# Altium PCB kunkun.PcbDoc (part 8 of 8)
Units mil, origin at the board's own origin, x right, y up, seen from the top; angles counter-clockwise.
Board outline 11417.32 x 6911.54 mil, 2 copper layers (Top Layer, Bottom Layer), stack 28 mil thick; 1172 components, 690 nets, 3402 pads, 1297 vias.
Unrouted connection lines stored in the file: 210.
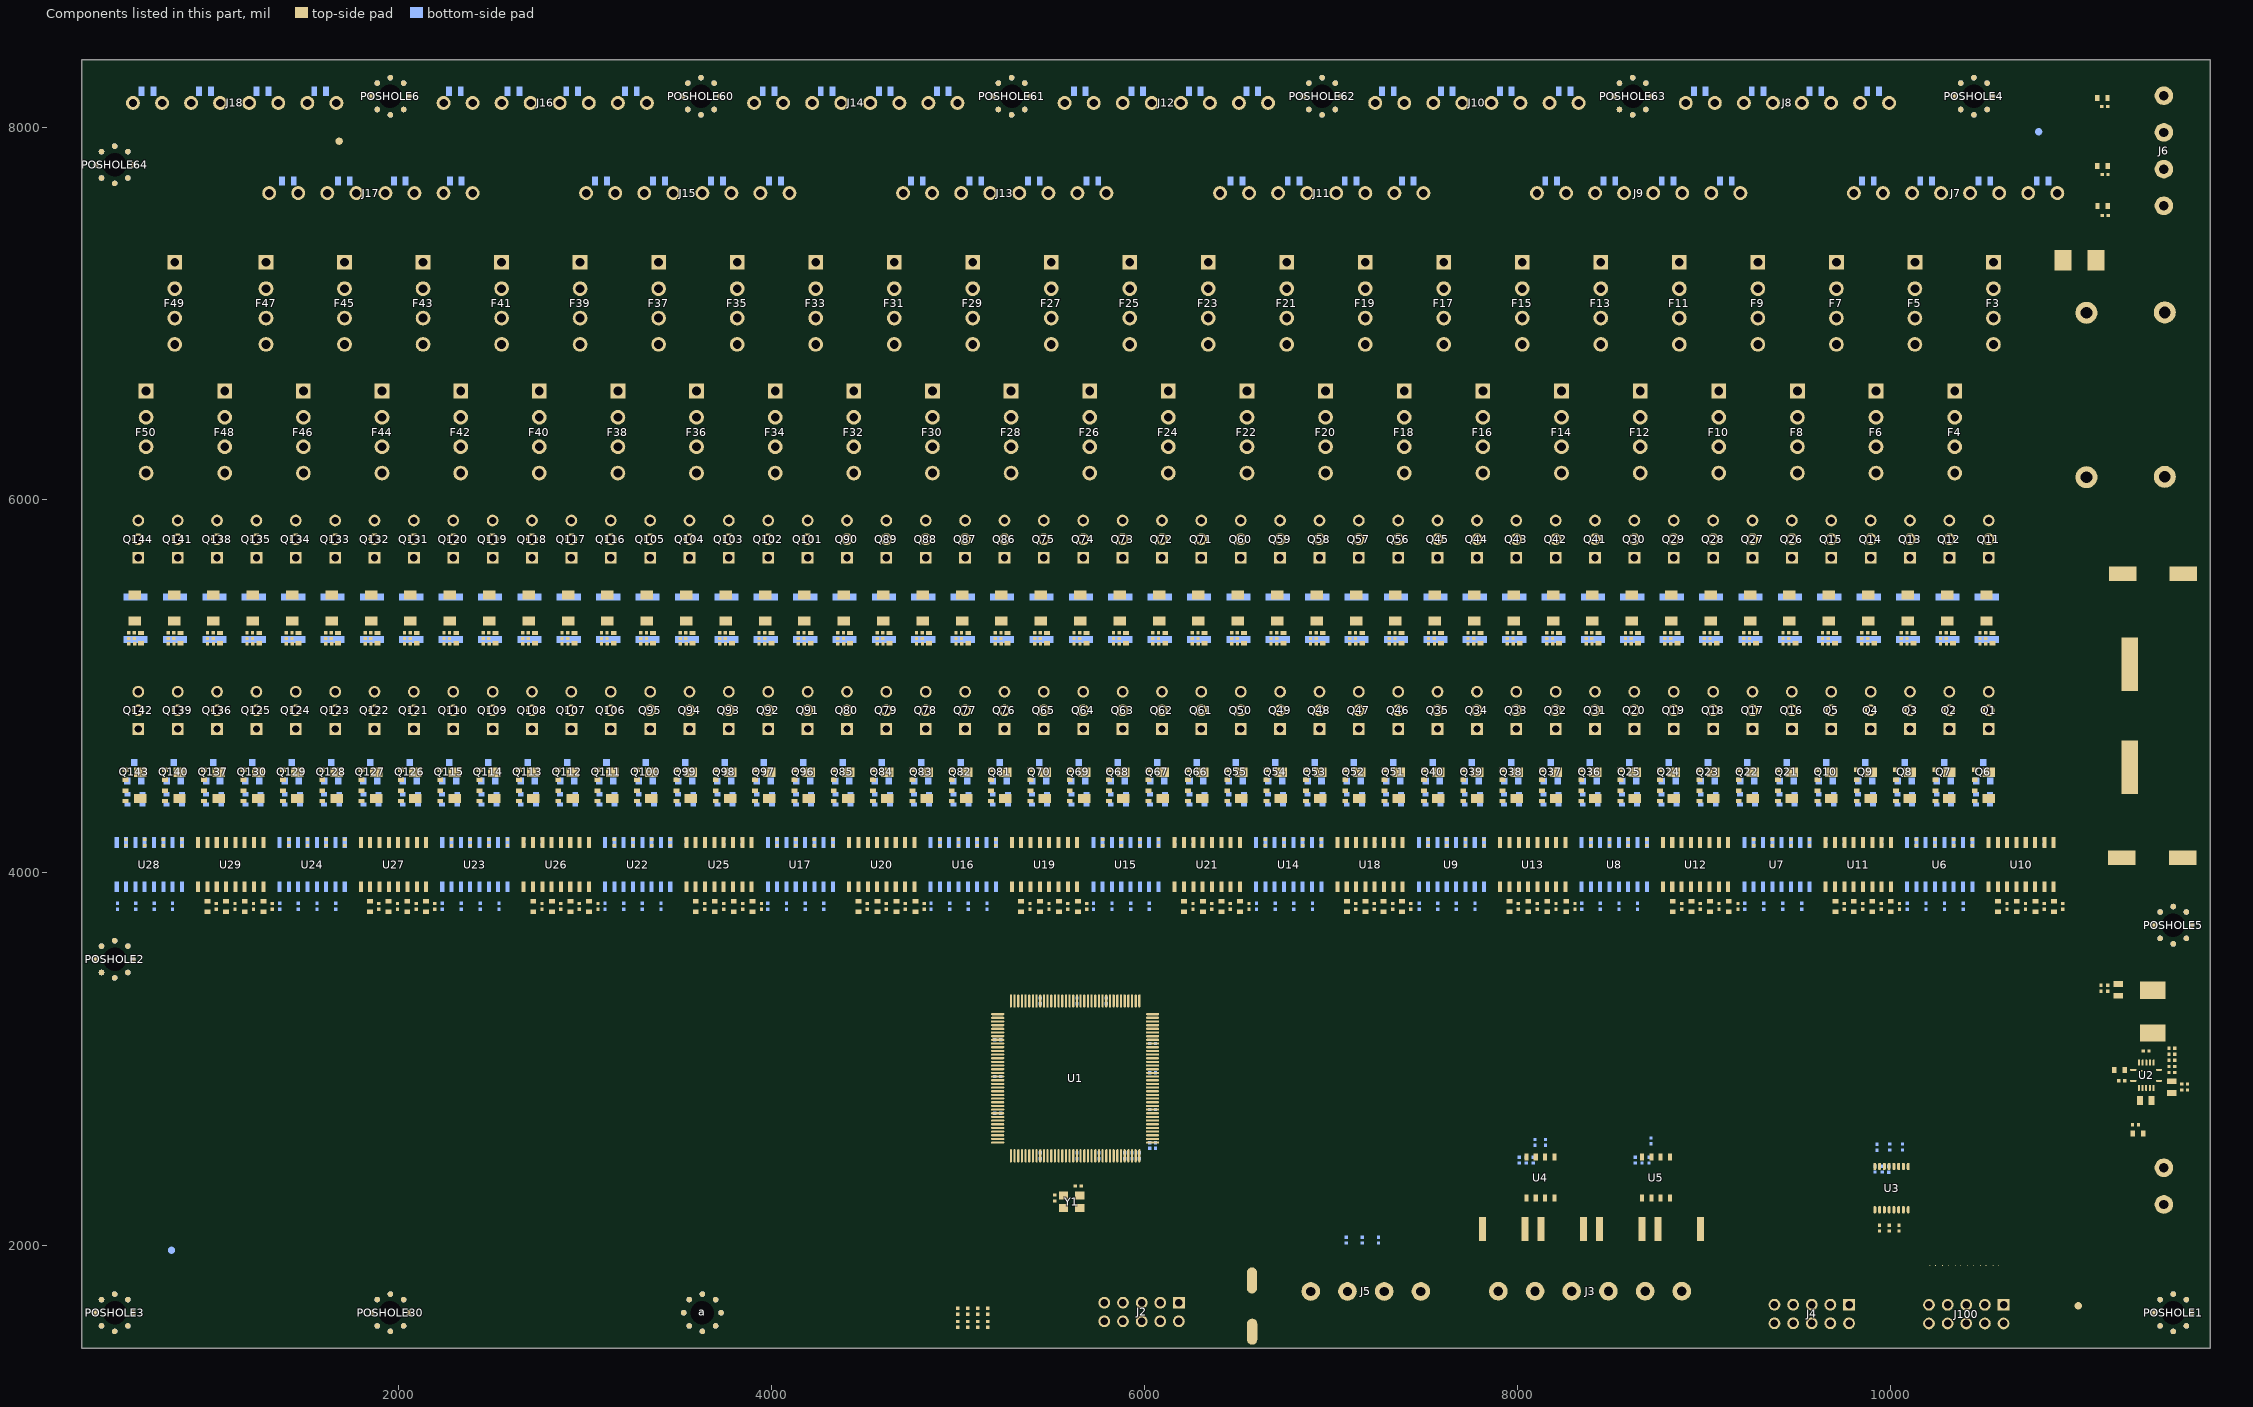
[diagram p8: the components of this part, seen from the top]

## Other copper
Top Layer:
  rectangle net PLOW: 9216.98,5464.84 9284.76,5591.25
  rectangle net PLOW: 1184.67,5466.57 1252.45,5592.99
  rectangle net PLOW: 975.07,5464.84 1042.85,5591.25
  rectangle net PLOW: 763.74,5464.84 831.52,5591.25
  rectangle net PLOW: 552.41,5464.84 620.19,5591.25
  rectangle net PLOW: 2029.99,5466.57 2097.78,5592.99
  rectangle net PLOW: 1820.39,5464.84 1888.18,5591.25
  rectangle net PLOW: 1609.06,5464.84 1676.85,5591.25
  rectangle net PLOW: 1397.73,5464.84 1465.52,5591.25
  rectangle net PLOW: 2875.32,5466.57 2943.1,5592.99
  rectangle net PLOW: 2665.72,5464.84 2733.5,5591.25
  rectangle net PLOW: 2454.39,5464.84 2522.17,5591.25
  rectangle net PLOW: 2243.05,5464.84 2310.84,5591.25
  rectangle net PLOW: 3724.67,5473.19 3792.46,5599.6
  rectangle net PLOW: 3515.07,5471.45 3582.86,5597.87
  rectangle net PLOW: 3303.74,5471.45 3371.53,5597.87
  rectangle net PLOW: 3092.41,5471.45 3160.2,5597.87
  rectangle net PLOW: 4565.96,5466.57 4633.75,5592.99
  rectangle net PLOW: 4356.36,5464.84 4424.15,5591.25
  rectangle net PLOW: 4145.03,5464.84 4212.82,5591.25
  rectangle net PLOW: 3933.7,5464.84 4001.49,5591.25
  rectangle net PLOW: 5411.29,5466.57 5479.07,5592.99
  rectangle net PLOW: 5201.69,5464.84 5269.47,5591.25
  rectangle net PLOW: 4990.36,5464.84 5058.14,5591.25
  rectangle net PLOW: 4779.03,5464.84 4846.81,5591.25
  rectangle net PLOW: 6256.61,5466.57 6324.4,5592.99
  rectangle net PLOW: 6047.01,5464.84 6114.8,5591.25
  rectangle net PLOW: 5835.68,5464.84 5903.47,5591.25
  rectangle net PLOW: 5624.35,5464.84 5692.14,5591.25
  rectangle net PLOW: 7101.94,5466.57 7169.72,5592.99
  rectangle net PLOW: 6892.34,5464.84 6960.12,5591.25
  rectangle net PLOW: 6681.01,5464.84 6748.79,5591.25
  rectangle net PLOW: 6469.68,5464.84 6537.46,5591.25
  rectangle net PLOW: 7947.26,5466.57 8015.05,5592.99
  rectangle net PLOW: 7737.66,5464.84 7805.45,5591.25
  rectangle net PLOW: 7526.33,5464.84 7594.12,5591.25
  rectangle net PLOW: 7315,5464.84 7382.78,5591.25
  rectangle net PLOW: 8792.58,5466.57 8860.37,5592.99
  rectangle net PLOW: 8582.99,5464.84 8650.77,5591.25
  rectangle net PLOW: 8371.65,5464.84 8439.44,5591.25
  rectangle net PLOW: 8160.32,5464.84 8228.11,5591.25
  rectangle net PLOW: 9637.91,5466.57 9705.69,5592.99
  rectangle net PLOW: 9428.31,5464.84 9496.09,5591.25
  rectangle net PLOW: 9005.65,5464.84 9073.43,5591.25
  rectangle net PLOW: 9850.97,5464.84 9918.76,5591.25
  rectangle net PLOW: 10062.3,5464.84 10130.09,5591.25
  rectangle net PLOW: 10273.63,5464.84 10341.42,5591.25
  rectangle net PLOW: 10483.23,5466.57 10551.02,5592.99
  pour cut-out: 11145.25,3533.46 11529.36,3533.46 11625.5,3437.32 11625.5,2952.63 11057.15,2952.63 11057.15,3445.35
  pour cut-out: 5523.34,2318.21 5690.12,2318.21 5691.62,2319.7 5695.61,2315.7 5695.61,2156.6 5523.34,2156.6
  pour cut-out: 10034.54,2770.05 10020.18,2755.7 10020.18,2731.77 10005.26,2746.69 9997.1,2746.69 9997.1,2754.85 10015.96,2773.71
  pour cut-out: 9712.98,2222.48 9379.47,1888.97 9379.47,1522.92 9444.7,1457.7 10581.55,1457.7 10608.26,1484.4 10608.26,1925.54 10311.32,2222.48
  region net PHIGH: 11329.81,4974.36 11401.64,5127.71 11461.43,5766.68 11385.73,5921.71 11385.73,5974.45 11507.49,6076.22 11437.44,6171.31 11276.02,6041.01 11276.02,5921.57 11371.38,5743.96 11320.65,5415.74 11163.09,5258.18 11163.09,4974.36
  region net PGND: 11503.63,8006.67 11370.46,8119.14 11158.1,8119.14 11158.1,7867.86 11214.78,7811.18 11214.78,7776.11 11195.35,7756.68 11159.45,7756.68 11159.45,7737.04 11159.55,7730.77 11146.28,7717.51 11078.62,7717.51 10983.52,7622.41 10983.52,7211.43 10819.86,7047.77 10820.53,6819.96 11114.31,6823.34 10971.29,6966.36 10971.29,7032.59 11046.21,7107.5 11046.21,7411.64 11088.18,7453.61 11088.18,7598.58 11095.53,7605.93 11207.64,7605.93 11223.32,7586.68 11223.32,7568.86 11189.08,7534.62 11169.2,7534.62 11169.2,7525.77 11160.34,7516.91 11188.58,7488.66 11189.08,7488.66 11188.62,7040.95 11083.3,6923.65 10819.86,6923.65 10820.38,6713.69 10707.5,6516.84 10707.5,6014.21 10792.72,5871.08 10792.72,4655.93 11286.65,4162 11365.05,4899.45 11114.31,4899.45 11114.31,5518.21 10927.77,6169.46 10983.52,6225.21 11628.58,6225.21 11642.04,6238.67 11642.04,6779.78 11554.82,6867 11441.76,6867 11363.62,6945.15 11363.62,7066.36 11518.15,7220.9 11518.15,7407.96 11394.46,7531.65 11394.46,7809.44 11512.05,7947.16
  region net NetD49_2: 11174.1,7121.23 11174.1,7451.01 11097.82,7451.01 11058.05,7411.25 11058.05,7121.23
  region net NetD51_2: 11468.28,7724.46 11577.97,7614.77 11577.97,7171.97 11455.89,7049.9 11503.63,6956.26 11679.68,7049.9 11679.68,7633.77 11503.63,7809.82
  region net PLOW: 11300.76,5450.85 11337.57,5744.73 11095.71,6161.32 10996.07,6104.95 11161.81,5554.35 11161.81,5356.1 11206.01,5356.1
  region net PGND: 11195.63,4250.07 11303.48,4142.21 11362.9,4142.21 11461.9,4043.21 11623.66,4043.21 11642.04,4061.59 11642.04,4160.3 11642.04,6299.73 11513.03,6231.71 11568.25,6176.49 11455.05,5070.85 11195.63,4576.8
  region net P12: 10972.05,7339.37 10842.08,7339.37 10657.44,7154.74 10657.44,6757.48 10553.87,6572.12 10553.87,5976.92 10657.44,5814.73 10657.44,4559.73 10926.55,4290.61 10926.55,4077.01 11078.03,4077.01 11078.03,4120.17 11078.03,4304.62 10752.98,4629.68 10752.98,5869.4 10657.44,6022.56 10657.44,6508.35 10787.07,6733.95 10787.07,7044.39 10972.05,7229.37
  region net DGND: 11448.52,2899.42 11458.05,2899.42 11490.82,2866.64 11534.85,2866.64 11534.85,2872.56 11550.61,2888.33 11574.03,2888.33 11585.89,2876.47 11585.89,2858.75 11603.61,2858.75 11603.61,3005.14 11573.22,3035.53 11517.72,3035.53 11517.72,2985.22 11546.78,2984.89 11554.79,2976.87 11554.79,2947.52 11545.03,2937.76 11517.72,2937.76 11517.72,2921.32 11509.82,2913.43 11479.06,2913.43 11463.55,2928.94 11448.52,2928.94
  region net NetC1_2: 11348.76,2993.27 11379.47,2993.27 11379.47,3014.72 11404.24,3039.49 11394.21,3049.52 11379.78,3049.52 11379.78,3033.23 11348.76,3002.21
  region net VCC12: 11367.41,2835.57 11367.41,2820.72 11386.42,2801.7 11386.42,2429.2 11433.78,2381.84 11502.26,2381.84 11534.85,2414.43 11534.85,2834.34 11533.61,2835.57 11426.95,2835.57
  region net NetC1_2: 11379.78,3035.44 11379.78,3049.52 11339.82,3089.47 11339.82,3117.11 11477.62,3117.11 11477.62,3095.08 11456.9,3095.08 11400.77,3035.44
  region net NetC1_1: 11329.07,2982.8 11329.07,3033.74 11348.5,3053.16 11354.48,3053.16 11366,3041.63 11366,3032.86 11340.1,3006.96 11340.1,2983.47
  region net NetJ3_4: 8450.96,1788.94 8563.82,1901.8 8611.11,1901.8 8738.08,2028.77 8738.08,2068.84 8771.49,2068.84 8772.39,2067.93 8772.39,1971.49 8529.35,1728.44 8500.62,1728.44
  region net NetJ3_3: 8422.97,2040.85 8422.97,2009.33 8242.39,1828.75 8242.39,1747.88 8330.28,1720.82 8459.09,1849.63 8459.09,2070.64
  region net NetJ3_2: 8109.47,2071.14 8109.47,2027.13 8045.06,1962.72 8045.06,1750.52 8140.97,1750.52 8145.61,1755.15 8145.61,2081.8
  region net NetJ3_1: 7795.19,2097.06 7795.19,1789.44 7867.44,1717.19 7926.75,1776.51 7926.75,1797.42 7847.66,1876.52 7847.66,2009.22 7830.93,2025.95 7830.93,2076.14
  region net NetR30_2: 8808.5,2267.64 8808.5,2209.64 8850.96,2167.18 8931.34,2167.18 8966.21,2132.32 8966.21,2098.88 8993.44,2098.88 9002.37,2089.95 9002.37,2155.73 8947.88,2210.22 8849.75,2210.22 8829.53,2230.44 8829.53,2264.41
  region net NetR29_2: 8679.1,2267.1 8679.1,2220.03 8687.98,2211.15 8687.98,2137.15 8650.94,2135.73 8650.94,2212.26 8658.34,2219.66 8658.34,2269.26
  region net NetR28_2: 8188.91,2267.64 8188.91,2209.64 8231.37,2167.18 8311.75,2167.18 8336.92,2142.01 8336.92,2098.88 8373.85,2098.88 8374.12,2098.61 8374.12,2164.39 8328.29,2210.22 8230.16,2210.22 8209.94,2230.44 8209.94,2264.41
  region net NetR24_2: 8059.5,2267.1 8059.5,2143.36 8044.4,2128.26 8022.57,2150.1 8022.57,2203.48 8038.74,2219.66 8038.74,2269.26
  region net VCC3.3: 11118.93,3388.85 11251.58,3388.85 11339.82,3341.38 11389.86,3351.33 11477.54,3351.33 11477.54,3415.05 11372.05,3503.94 11118.93,3503.94
  region net DGND: 11358.75,2857.78 11358.75,2879.42 11349.54,2888.63 11347.69,2886.78 11339.15,2886.78 11333.13,2880.77 11333.13,2857.78
  region net DGND: 11358.75,2835.34 11358.75,2685.46 11251.69,2685.46 11121.61,2815.54 11121.61,3373.44 11214.16,3373.44 11214.16,2916.41 11237.82,2892.75 11237.12,2892.06 11237.12,2870.78 11272.56,2835.34
Bottom Layer:
  rectangle net PGND: 499.32,5938.86 10903.97,6063.65
  rectangle net PHIGH: 499.63,5110.35 10583.52,5235.14
  rectangle net PLOW: 499.32,5515.62 10590.36,5640.42
  pour cut-out: 11145.25,3533.46 11529.36,3533.46 11625.5,3437.32 11625.5,2954.91 11057.15,2954.91 11057.15,3445.35
  pour cut-out: 5523.34,2318.21 5690.12,2318.21 5691.62,2319.7 5695.61,2315.7 5695.61,2156.6 5523.34,2156.6
  pour cut-out: 5083.54,3102.78 5083.54,2904.89 5078.71,2900.06 5068.39,2910.38 4990.77,2910.38 4990.77,3114.22 5023.72,3147.17
  pour cut-out: 5171.05,3441.26 4931.19,3201.41 4931.19,3254.66 4915.6,3270.25 5131.12,3485.77 5141.21,3485.77
  pour cut-out: 5559.41,3448.17 5279.69,3448.17 5277.86,3450.01 5278.55,3450.7 5278.55,3503.89 5654.58,3503.89 5658.02,3500.45
  pour cut-out: 6046.22,3424.55 5982.83,3487.94 5982.83,3510.67 6121.65,3510.67 6131.48,3500.84 6087.73,3457.08 6087.73,3426.23
  pour cut-out: 9712.98,2222.48 9379.47,1888.97 9379.47,1522.92 9444.7,1457.7 10581.55,1457.7 10608.26,1484.4 10608.26,1925.54 10311.32,2222.48
  region net PHIGH: 10437.84,5234.34 11138.47,5234.34 11282.71,5378.58 11417.03,5378.58 11406.82,5268.27 11299.92,5109.66 10437.84,5109.66
  region net PLOW: 10590.36,5640.42 10819.01,5640.42 11307.72,5514.66 11300.76,5450.85 11214.06,5364.14 10648.7,5515.57 10541.85,5515.57
  region net NetD49_2: 11468.28,7627.61 11157.3,7627.61 11121.35,7591.67 11121.35,7041.91 11155.39,7007.87 11306.57,7007.87 11518.92,7220.22 11518.92,7597.68 11490.77,7625.83
  region net NetD52_2: 10956.99,7008.55 10956.99,7801.66 11413.5,8218.17 11468.28,8218.17 11518.28,8168.17 11518.28,8160.56 11518.28,8126.71 11101.83,7737.59 11101.83,6991.26 11019.25,6955.04
  region net NetD51_2: 11468.28,7724.46 11579.12,7613.62 11579.12,7173.13 11455.89,7049.9 11495.08,6951.23 11680.26,7049.9 11680.26,7633.2 11503.63,7809.82
  region net DGND: 11121.64,2969.13 11121.64,2498.31 11439.98,2179.97 11503.63,2243.63 11503.63,2256.54 11501.81,2256.54 11343.28,2415.07 11343.28,2831.45 11276.46,2831.45 11214.16,2893.74 11214.16,2969.13

## Silkscreen, mask and mechanical layers (free items; w line width, h text height)
Top Overlay:
  drawing of 270 lines, arcs and shapes, not listed
  text "LOW" at 11685.67,8118.43 h60 r90
  text "PGND" at 11685.67,7875.68 h60 r90
  text "HIGH" at 11685.67,7662.39 h60 r90
  text "+12V" at 11685.67,7470.16 h60 r90
  text "+3.3V" at 11483.95,2556.12 h60 r90
  text "ISO" at 7782.08,2373.45 h100 r90
  text "+12V" at 11679.27,2358.9 h60 r90
  text "TTL" at 6825.07,2358.18 h100 r90
  text "LVDS" at 9177.15,2292.55 h100 r90
  text "MB VER." at 4815.15,2147.34 h100 r90
  text "DGND" at 11682.9,2141.7 h60 r90
  text "INPUT" at 9811.43,1826.12 h60
  text "BYPASS" at 10585.35,1821.46 h60
  text "S1 S2 S3 S4" at 4940.4,1807.57 h60
  text "0" at 4813.02,1618.9 h60
  text "1" at 4817.81,1548.03 h60
  text "SEN" at 7793.54,1515.62 h60
  text "SCLK" at 7968.01,1515.62 h60
  text "SDATA" at 8182.38,1515.62 h60
  text "NC" at 8435.39,1515.62 h60
  text "DGND" at 8576.45,1515.62 h60
  text "DGND" at 8798.1,1515.62 h60
  text "SEN" at 6787.66,1514.43 h60
  text "SCLK" at 6954.57,1514.43 h60
  text "DGND" at 7161.38,1514.43 h60
  text "SDATA" at 7375.47,1514.43 h60
Bottom Overlay:
  text "Designed by Apple in California / v1.1" at 1318.32,1502.69 h60
Bottom Paste:
  drawing of 508 lines, arcs and shapes, not listed
Bottom Solder:
  rectangle: 11333.13,2873.81 11413.84,2954.52
  rectangle: 499.32,6000.66 10709.65,6063.65
  rectangle: 525.95,5152.94 10713.95,5214.97
  rectangle: 523.26,5579.01 10711.27,5641.05
  region: 9783.74,2376.78 10272.14,2376.78 cw(c10264.42,2337.22) 10304.72,2337.22 10304.72,2233.48 cw(c10291.29,2233.48) 10291.29,2220.04 9775.53,2220.04 cw(c9775.53,2258.85) 9736.72,2258.85 9736.72,2329.76 cw(c9783.74,2329.76)
Mechanical 1:
  pour cut-out: 11399.19,6960.21 11399.19,7034.07 11560.07,7194.95 11560.07,7612.57 11475.72,7696.92 11429.72,7696.92 11429.72,7671.38 11468.26,7671.38 11538.34,7601.29 11538.34,7210.04 11377.66,7049.36 11377.66,6949.73 11439.03,6888.36 11519.24,6888.36 11519.24,6908.58 11450.82,6908.58
  lines w6: 11163.35,4921.37 11163.35,4952.36 11332.62,4949.38 11413.67,5109.7 11457.18,5542.27 11484.63,5542.27 11441.64,5105.15 11348.47,4920.57 11163.35,4921.37 ; 11377.66,6949.73 11439.03,6888.36 11519.24,6888.36 11519.24,6908.58 11450.82,6908.58 11399.19,6960.21 11399.19,7034.07 11560.07,7194.95 11560.07,7612.57 11475.72,7696.92 11453.54,7696.92 11429.72,7696.92 11429.72,7671.38 11468.26,7671.38 11538.34,7601.29 11538.34,7210.04 11377.66,7049.36 11377.66,6949.73 ; 11414.97,5967.08 11417.49,5922.15 11482.7,5769.74 11470.97,5672.37 11494.21,5671.29 11537.02,6041.3 11514.95,6049.28 11414.97,5967.08
  lines w10: 300,1450 300,8361.54 11717.32,8361.54 11717.32,1450 300,1450

## Dimensions
10449.45,8165 to 11717.32,8361.54 on Mechanical 13
10449.45,8165 to 300,1450 on Mechanical 13
10449.45,8165 to 300,1450 on Mechanical 13
300,1450 to 11717.32,8361.54 on Mechanical 13
11518.47,1640.57 to 300,1450 on Mechanical 13
477.12,1640.57 to 300,1450 on Mechanical 13
300,1450 to 477.12,1640.57 on Mechanical 13
1956.19,8165 to 10449.45,8165 on Mechanical 13
11518.47,3719.29 to 11518.47,1640.57 on Mechanical 13
10449.45,8165 to 11518.47,3719.29 on Mechanical 13
477.12,3536.24 to 1956.19,8165 on Mechanical 13
477.12,3536.24 to 477.12,1640.57 on Mechanical 13
477.12,1640.57 to 11518.47,1640.57 on Mechanical 13